# Altium PCB STM32F207VC.PcbDoc (part 13 of 16)
Units mm, origin at the board's own origin, x right, y up, seen from the top; angles counter-clockwise.
Board outline 99.19 x 99.95 mm, 2 copper layers (Top Layer, Bottom Layer); 127 components, 125 nets, 570 pads, 172 vias.
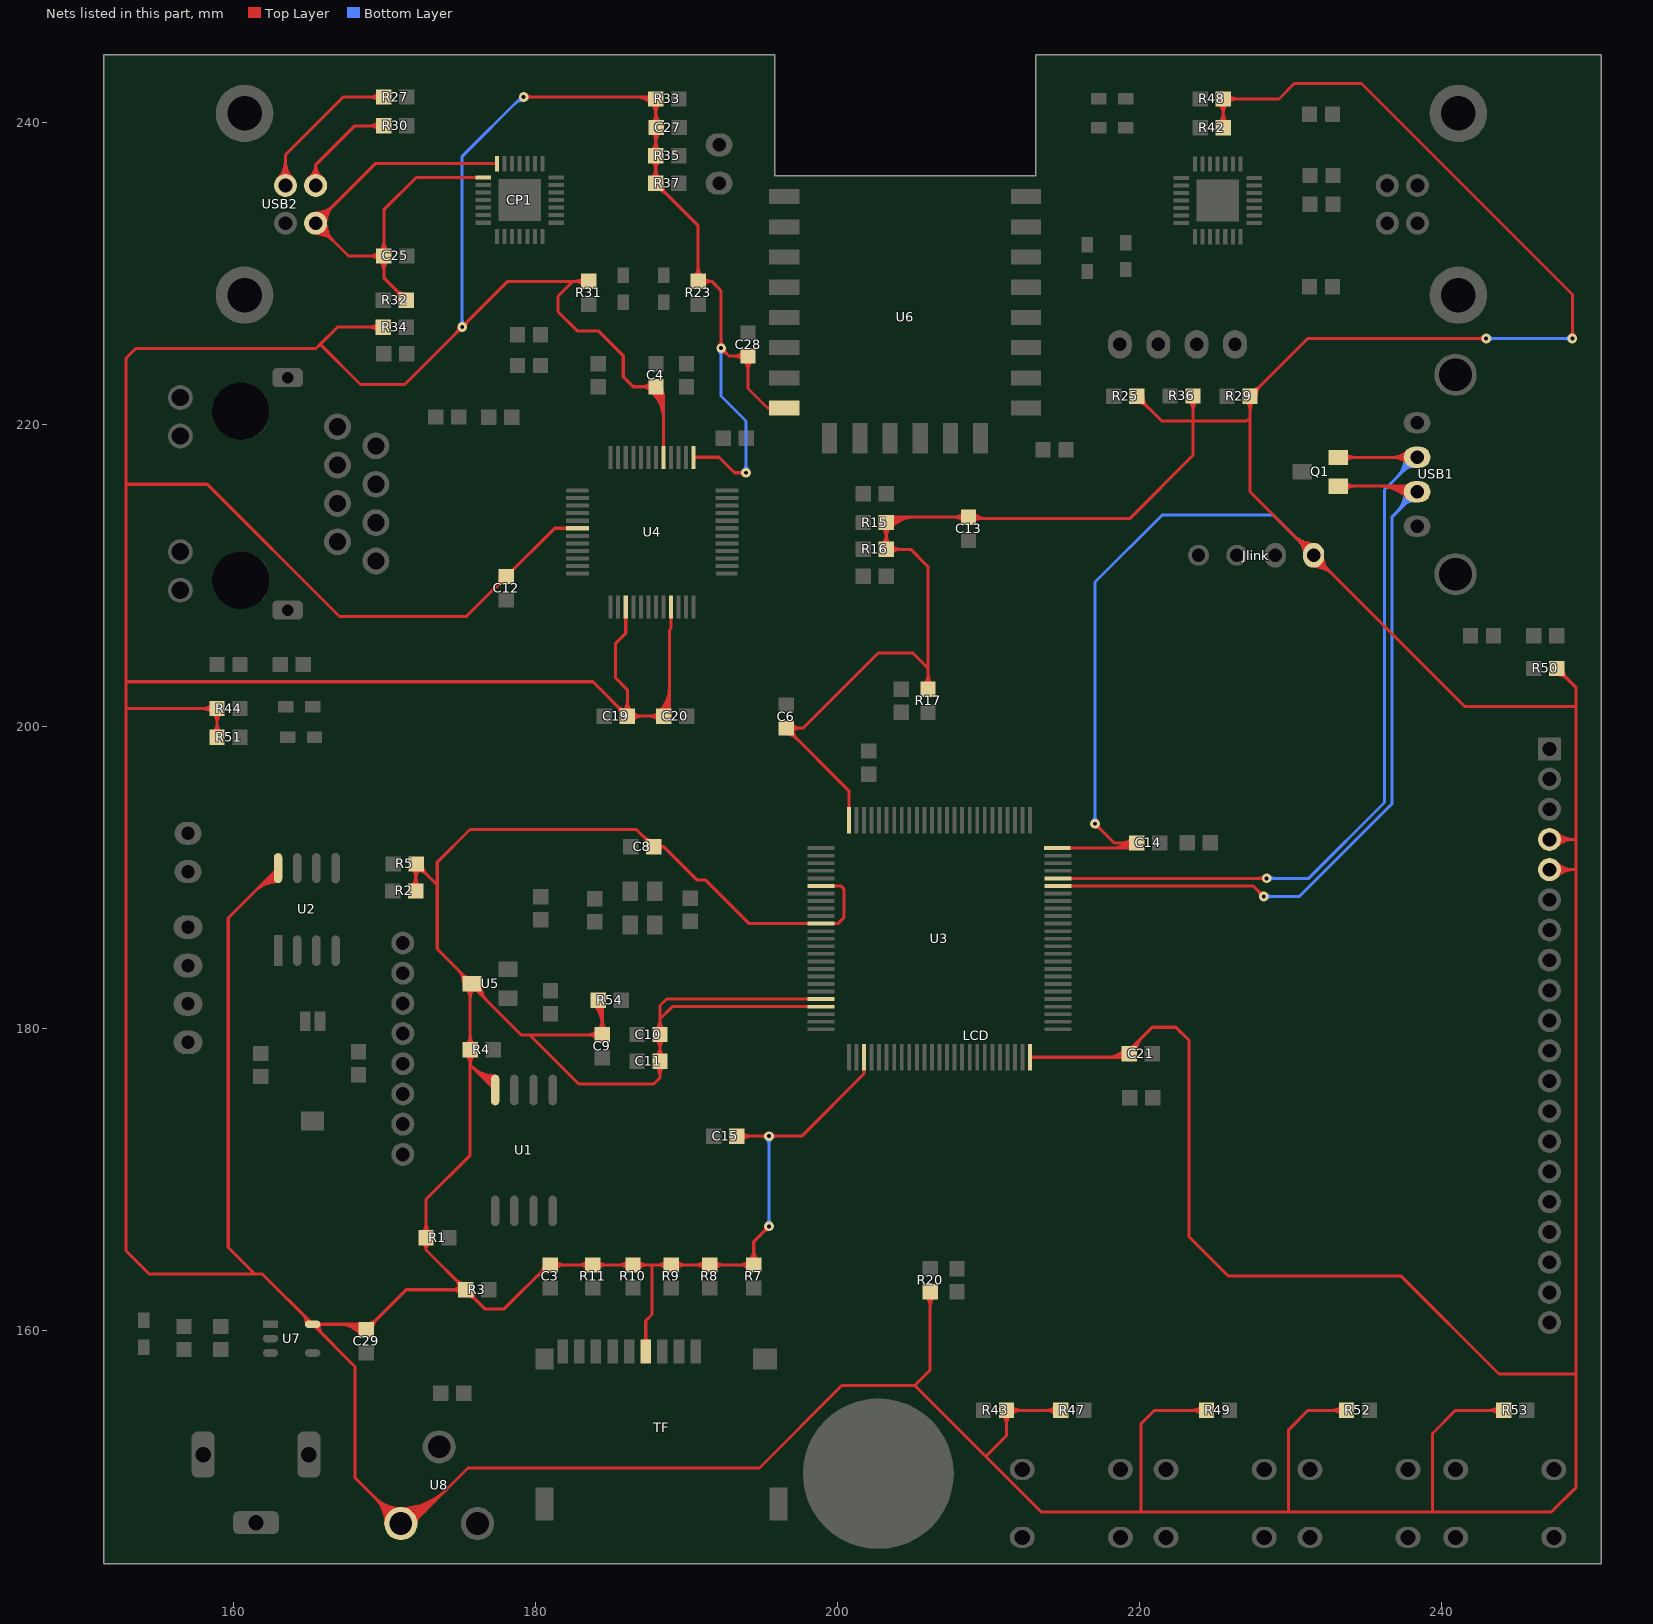
[diagram p13: the nets of this part, all layers, seen from the top]

## Via types
v1: diameter 0.635, hole 0.254, Top Layer to Bottom Layer, tented both sides, 152 vias
v2: diameter 0.635, hole 0.406, Top Layer to Bottom Layer, 18 vias
v3: diameter 1, hole 1, Top Layer to Bottom Layer, 2 vias

## Nets (pads, with @x,y where several pads share a name; then routed paths per layer and width w, separated by ;. In a path a pad name is that pad's centre, name@x,y a point inside that pad or via, vN(x,y) a via of type N, cw(c..) or ccw(c..) an arc to the next point about the centre after c; other vN are vias at no path point) (continued)
USB_DM: Q1.1 U3.70 USB1.2 | length 132.4
  Top Layer w0.203: U3.70@214.595,189.428 227.513,189.428 v1(228.219,188.722) ; Q1.1@233.159,215.905 238.003,215.905 USB1.2@238.376,215.531 ; 227.85,189.091 cw(c227.482,188.722) v1@228.003,188.722 ; 227.85,189.091 ccw(c228.219,189.459) v1@228.219,188.938 ; 227.85,189.091 cw(c227.482,188.722) v1@228.003,188.722 ; 227.85,189.091 ccw(c228.219,189.459) v1@228.219,188.938 ; 227.85,189.091 ccw(c228.219,189.459) v1@228.219,188.938 ; 227.85,189.091 cw(c227.482,188.722) v1@228.003,188.722 ; 227.85,189.091 ccw(c228.219,189.459) v1@228.219,188.938 ; 227.85,189.091 cw(c227.482,188.722) v1@228.003,188.722 ; 227.925,189.014 ccw(c228.299,189.114) v1@228.222,188.734 ; 227.925,189.014 ccw(c228.299,189.114) v1@228.222,188.734 ; 227.925,189.014 ccw(c228.299,189.114) v1@228.222,188.734 ; 227.925,189.014 ccw(c228.299,189.114) v1@228.222,188.734 ; 227.925,189.014 ccw(c228.299,189.114) v1@228.222,188.734 ; 227.925,189.014 ccw(c228.299,189.114) v1@228.222,188.734 ; 227.927,189.016 cw(c227.827,188.642) v1@228.207,188.719 ; 227.927,189.016 cw(c227.827,188.642) v1@228.207,188.719 ; 227.927,189.016 cw(c227.827,188.642) v1@228.207,188.719 ; 227.927,189.016 cw(c227.827,188.642) v1@228.207,188.719 ; 227.927,189.016 cw(c227.827,188.642) v1@228.207,188.719 ; 227.927,189.016 cw(c227.827,188.642) v1@228.207,188.719 ; Q1.1@233.573,215.618 cw(c234.267,214.924) 234.267,215.905 ; Q1.1@233.573,215.618 cw(c234.267,214.924) 234.267,215.905 ; Q1.1@233.573,215.618 cw(c234.267,214.924) 234.267,215.905 ; Q1.1@233.573,215.618 cw(c234.267,214.924) 234.267,215.905 ; Q1.1@233.573,216.192 ccw(c234.267,216.886) 234.267,215.905 ; Q1.1@233.573,216.192 ccw(c234.267,216.886) 234.267,215.905 ; Q1.1@233.573,216.192 ccw(c234.267,216.886) 234.267,215.905 ; Q1.1@233.573,216.192 ccw(c234.267,216.886) 234.267,215.905 ; 235.843,215.905 cw(c235.843,213.189) USB1.2@237.764,215.109 ; 235.843,215.905 cw(c235.843,213.189) USB1.2@237.764,215.109 ; 235.843,215.905 cw(c235.843,213.189) USB1.2@237.764,215.109 ; 235.843,215.905 cw(c235.843,213.189) USB1.2@237.764,215.109 ; 236.334,215.905 cw(c236.334,213.679) USB1.2@237.907,215.253 ; 236.334,215.905 cw(c236.334,213.679) USB1.2@237.907,215.253 ; 236.334,215.905 cw(c236.334,213.679) USB1.2@237.907,215.253 ; 236.334,215.905 cw(c236.334,213.679) USB1.2@237.907,215.253 ; 236.824,215.905 cw(c236.824,214.17) USB1.2@238.051,215.397 ; 236.824,215.905 cw(c236.824,214.17) USB1.2@238.051,215.397 ; 236.824,215.905 cw(c236.824,214.17) USB1.2@238.051,215.397 ; 236.824,215.905 cw(c236.824,214.17) USB1.2@238.051,215.397 ; 237.107,215.718 ccw(c237.323,216.091) USB1.2@237.685,215.856 ; 237.107,215.718 ccw(c237.323,216.091) USB1.2@237.685,215.856 ; 237.107,215.718 ccw(c237.323,216.091) USB1.2@237.685,215.856 ; 237.107,215.718 ccw(c237.323,216.091) USB1.2@237.685,215.856 ; 237.107,215.718 ccw(c237.323,216.091) USB1.2@237.685,215.856 ; 237.107,215.718 ccw(c237.323,216.091) USB1.2@237.685,215.856 ; 237.291,215.61 ccw(c237.502,215.974) USB1.2@237.855,215.746 ; 237.291,215.61 ccw(c237.502,215.974) USB1.2@237.855,215.746 ; 237.291,215.61 ccw(c237.502,215.974) USB1.2@237.855,215.746 ; 237.291,215.61 ccw(c237.502,215.974) USB1.2@237.855,215.746 ; 237.291,215.61 ccw(c237.502,215.974) USB1.2@237.855,215.746 ; 237.291,215.61 ccw(c237.502,215.974) USB1.2@237.855,215.746 ; 237.315,215.905 cw(c237.315,214.66) USB1.2@238.195,215.54 ; 237.315,215.905 cw(c237.315,214.66) USB1.2@238.195,215.54 ; 237.315,215.905 cw(c237.315,214.66) USB1.2@238.195,215.54 ; 237.315,215.905 cw(c237.315,214.66) USB1.2@238.195,215.54 ; 237.365,215.793 cw(c237.132,215.389) USB1.2@237.594,215.451 ; 237.365,215.793 ccw(c237.489,216.006) USB1.2@237.693,215.868 ; 237.365,215.793 cw(c237.132,215.389) USB1.2@237.594,215.451 ; 237.365,215.793 ccw(c237.489,216.006) USB1.2@237.693,215.868 ; 237.365,215.793 cw(c237.132,215.389) USB1.2@237.594,215.451 ; 237.365,215.793 ccw(c237.489,216.006) USB1.2@237.693,215.868 ; 237.365,215.793 ccw(c237.489,216.006) USB1.2@237.693,215.868 ; 237.365,215.793 cw(c237.132,215.389) USB1.2@237.594,215.451 ; 237.365,215.793 ccw(c237.489,216.006) USB1.2@237.693,215.868 ; 237.365,215.793 cw(c237.132,215.389) USB1.2@237.594,215.451 ; 237.365,215.793 ccw(c237.489,216.006) USB1.2@237.693,215.868 ; 237.365,215.793 cw(c237.132,215.389) USB1.2@237.594,215.451 ; 237.476,215.503 ccw(c237.682,215.858) USB1.2@238.026,215.635 ; 237.476,215.503 ccw(c237.682,215.858) USB1.2@238.026,215.635 ; 237.476,215.503 ccw(c237.682,215.858) USB1.2@238.026,215.635 ; 237.476,215.503 ccw(c237.682,215.858) USB1.2@238.026,215.635 ; 237.476,215.503 ccw(c237.682,215.858) USB1.2@238.026,215.635 ; 237.476,215.503 ccw(c237.682,215.858) USB1.2@238.026,215.635
  Bottom Layer w0.203: v1(228.219,188.722) 230.572,188.722 236.728,194.878 236.728,213.883 USB1.2@238.376,215.531 ; v1@228.372,188.569 cw(c228.74,188.201) 228.74,188.722 ; v1@228.372,188.569 cw(c228.74,188.201) 228.74,188.722 ; v1@228.372,188.569 cw(c228.74,188.201) 228.74,188.722 ; v1@228.372,188.569 cw(c228.74,188.201) 228.74,188.722 ; v1@228.372,188.875 ccw(c228.74,189.243) 228.74,188.722 ; v1@228.372,188.875 ccw(c228.74,189.243) 228.74,188.722 ; v1@228.372,188.875 ccw(c228.74,189.243) 228.74,188.722 ; v1@228.372,188.875 ccw(c228.74,189.243) 228.74,188.722 ; 237.032,214.187 ccw(c235.688,215.531) USB1.2@237.589,215.531 ; 237.032,214.187 ccw(c235.688,215.531) USB1.2@237.589,215.531 ; 237.032,214.187 ccw(c235.688,215.531) USB1.2@237.589,215.531 ; 237.032,214.187 ccw(c235.688,215.531) USB1.2@237.589,215.531 ; 237.379,214.534 ccw(c236.382,215.531) USB1.2@237.792,215.531 ; 237.379,214.534 ccw(c236.382,215.531) USB1.2@237.792,215.531 ; 237.379,214.534 ccw(c236.382,215.531) USB1.2@237.792,215.531 ; 237.379,214.534 ccw(c236.382,215.531) USB1.2@237.792,215.531 ; 237.492,214.647 cw(c238.186,213.953) USB1.2@238.186,214.935 ; 237.492,214.647 cw(c238.186,213.953) USB1.2@238.186,214.935 ; 237.492,214.647 cw(c238.186,213.953) USB1.2@238.186,214.935 ; 237.492,214.647 cw(c238.186,213.953) USB1.2@238.186,214.935 ; 237.593,214.789 cw(c238.326,214.592) USB1.2@238.214,215.343 ; 237.593,214.789 cw(c238.326,214.592) USB1.2@238.214,215.343 ; 237.593,214.789 cw(c238.326,214.592) USB1.2@238.214,215.343 ; 237.593,214.789 cw(c238.326,214.592) USB1.2@238.214,215.343 ; 237.593,214.789 cw(c238.326,214.592) USB1.2@238.214,215.343 ; 237.593,214.789 cw(c238.326,214.592) USB1.2@238.214,215.343 ; 237.726,214.881 ccw(c237.076,215.531) USB1.2@237.995,215.531 ; 237.726,214.881 ccw(c237.076,215.531) USB1.2@237.995,215.531 ; 237.726,214.881 ccw(c237.076,215.531) USB1.2@237.995,215.531 ; 237.726,214.881 ccw(c237.076,215.531) USB1.2@237.995,215.531
USB_DP: Q1.2 U3.71 USB1.3 | length 102.1
  Top Layer w0.203: U3.71@214.595,189.928 v1(228.409,189.928) ; Q1.2@233.159,217.805 USB1.3@238.364,217.805 ; 227.888,189.928 cw(c227.888,189.407) v1@228.256,189.775 ; 227.888,189.928 ccw(c227.888,190.449) v1@228.256,190.081 ; 227.888,189.928 cw(c227.888,189.407) v1@228.256,189.775 ; 227.888,189.928 ccw(c227.888,190.449) v1@228.256,190.081 ; 227.888,189.928 ccw(c227.888,190.449) v1@228.256,190.081 ; 227.888,189.928 cw(c227.888,189.407) v1@228.256,189.775 ; 227.888,189.928 ccw(c227.888,190.449) v1@228.256,190.081 ; 227.888,189.928 cw(c227.888,189.407) v1@228.256,189.775 ; Q1.2@233.573,217.518 cw(c234.267,216.824) 234.267,217.805 ; Q1.2@233.573,217.518 cw(c234.267,216.824) 234.267,217.805 ; Q1.2@233.573,217.518 cw(c234.267,216.824) 234.267,217.805 ; Q1.2@233.573,217.518 cw(c234.267,216.824) 234.267,217.805 ; Q1.2@233.573,218.092 ccw(c234.267,218.786) 234.267,217.805 ; Q1.2@233.573,218.092 ccw(c234.267,218.786) 234.267,217.805 ; Q1.2@233.573,218.092 ccw(c234.267,218.786) 234.267,217.805 ; Q1.2@233.573,218.092 ccw(c234.267,218.786) 234.267,217.805 ; 236.715,217.805 ccw(c236.715,219.289) USB1.3@237.764,218.24 ; 236.715,217.805 ccw(c236.715,219.289) USB1.3@237.764,218.24 ; 236.715,217.805 ccw(c236.715,219.289) USB1.3@237.764,218.24 ; 236.715,217.805 ccw(c236.715,219.289) USB1.3@237.764,218.24 ; 236.775,217.805 cw(c236.775,216.407) USB1.3@237.764,217.395 ; 236.775,217.805 cw(c236.775,216.407) USB1.3@237.764,217.395 ; 236.775,217.805 cw(c236.775,216.407) USB1.3@237.764,217.395 ; 236.775,217.805 cw(c236.775,216.407) USB1.3@237.764,217.395 ; 237.205,217.805 ccw(c237.205,218.798) USB1.3@237.907,218.096 ; 237.205,217.805 ccw(c237.205,218.798) USB1.3@237.907,218.096 ; 237.205,217.805 ccw(c237.205,218.798) USB1.3@237.907,218.096 ; 237.205,217.805 ccw(c237.205,218.798) USB1.3@237.907,218.096 ; 237.265,217.805 cw(c237.265,216.897) USB1.3@237.907,217.539 ; 237.265,217.805 cw(c237.265,216.897) USB1.3@237.907,217.539 ; 237.265,217.805 cw(c237.265,216.897) USB1.3@237.907,217.539 ; 237.265,217.805 cw(c237.265,216.897) USB1.3@237.907,217.539
  Bottom Layer w0.203: v1(228.409,189.928) 231.203,189.928 236.22,194.945 236.22,215.661 USB1.3@238.376,217.817 ; v1@228.562,189.775 cw(c228.93,189.407) 228.93,189.928 ; v1@228.562,189.775 cw(c228.93,189.407) 228.93,189.928 ; v1@228.562,189.775 cw(c228.93,189.407) 228.93,189.928 ; v1@228.562,189.775 cw(c228.93,189.407) 228.93,189.928 ; v1@228.562,190.081 ccw(c228.93,190.449) 228.93,189.928 ; v1@228.562,190.081 ccw(c228.93,190.449) 228.93,189.928 ; v1@228.562,190.081 ccw(c228.93,190.449) 228.93,189.928 ; v1@228.562,190.081 ccw(c228.93,190.449) 228.93,189.928 ; 237.032,216.473 ccw(c235.688,217.817) USB1.3@237.589,217.817 ; 237.032,216.473 ccw(c235.688,217.817) USB1.3@237.589,217.817 ; 237.032,216.473 ccw(c235.688,217.817) USB1.3@237.589,217.817 ; 237.032,216.473 ccw(c235.688,217.817) USB1.3@237.589,217.817 ; 237.379,216.82 ccw(c236.382,217.817) USB1.3@237.792,217.817 ; 237.379,216.82 ccw(c236.382,217.817) USB1.3@237.792,217.817 ; 237.379,216.82 ccw(c236.382,217.817) USB1.3@237.792,217.817 ; 237.379,216.82 ccw(c236.382,217.817) USB1.3@237.792,217.817 ; 237.492,216.933 cw(c238.186,216.239) USB1.3@238.186,217.221 ; 237.492,216.933 cw(c238.186,216.239) USB1.3@238.186,217.221 ; 237.492,216.933 cw(c238.186,216.239) USB1.3@238.186,217.221 ; 237.492,216.933 cw(c238.186,216.239) USB1.3@238.186,217.221 ; 237.593,217.075 cw(c238.326,216.878) USB1.3@238.214,217.629 ; 237.593,217.075 cw(c238.326,216.878) USB1.3@238.214,217.629 ; 237.593,217.075 cw(c238.326,216.878) USB1.3@238.214,217.629 ; 237.593,217.075 cw(c238.326,216.878) USB1.3@238.214,217.629 ; 237.593,217.075 cw(c238.326,216.878) USB1.3@238.214,217.629 ; 237.593,217.075 cw(c238.326,216.878) USB1.3@238.214,217.629 ; 237.726,217.167 ccw(c237.076,217.817) USB1.3@237.995,217.817 ; 237.726,217.167 ccw(c237.076,217.817) USB1.3@237.995,217.817 ; 237.726,217.167 ccw(c237.076,217.817) USB1.3@237.995,217.817 ; 237.726,217.167 ccw(c237.076,217.817) USB1.3@237.995,217.817
USB_UART_DM: R30.1 USB2.2 | length 26.3
  Top Layer w0.203: USB2.2@165.427,235.819 165.427,237.182 ; R30.1@169.943,239.77 168.015,239.77 165.427,237.182 ; USB2.2@165.018,236.337 ccw(c164.351,237.182) 165.427,237.182 ; USB2.2@165.018,236.337 ccw(c164.351,237.182) 165.427,237.182 ; USB2.2@165.018,236.337 ccw(c164.351,237.182) 165.427,237.182 ; USB2.2@165.018,236.337 ccw(c164.351,237.182) 165.427,237.182 ; USB2.2@165.144,236.178 ccw(c164.682,236.763) 165.427,236.763 ; USB2.2@165.144,236.178 ccw(c164.682,236.763) 165.427,236.763 ; USB2.2@165.144,236.178 ccw(c164.682,236.763) 165.427,236.763 ; USB2.2@165.144,236.178 ccw(c164.682,236.763) 165.427,236.763 ; 165.427,236.763 ccw(c166.172,236.763) USB2.2@165.71,236.178 ; 165.427,236.763 ccw(c166.172,236.763) USB2.2@165.71,236.178 ; 165.427,236.763 ccw(c166.172,236.763) USB2.2@165.71,236.178 ; 165.427,236.763 ccw(c166.172,236.763) USB2.2@165.71,236.178 ; 165.427,237.182 ccw(c166.503,237.182) USB2.2@165.836,236.337 ; 165.427,237.182 ccw(c166.503,237.182) USB2.2@165.836,236.337 ; 165.427,237.182 ccw(c166.503,237.182) USB2.2@165.836,236.337 ; 165.427,237.182 ccw(c166.503,237.182) USB2.2@165.836,236.337 ; 168.962,239.77 cw(c168.962,238.789) R30.1@169.656,239.483 ; 168.962,239.77 ccw(c168.962,240.751) R30.1@169.656,240.057 ; 168.962,239.77 cw(c168.962,238.789) R30.1@169.656,239.483 ; 168.962,239.77 ccw(c168.962,240.751) R30.1@169.656,240.057 ; 168.962,239.77 ccw(c168.962,240.751) R30.1@169.656,240.057 ; 168.962,239.77 cw(c168.962,238.789) R30.1@169.656,239.483 ; 168.962,239.77 ccw(c168.962,240.751) R30.1@169.656,240.057 ; 168.962,239.77 cw(c168.962,238.789) R30.1@169.656,239.483
USB_UART_DP: R27.1 USB2.3 | length 33.2
  Top Layer w0.203: USB2.3@163.427,235.819 163.427,237.849 167.253,241.675 R27.1@169.943,241.675 ; USB2.3@162.96,236.286 ccw(c161.833,237.413) 163.427,237.413 ; USB2.3@162.96,236.286 ccw(c161.833,237.413) 163.427,237.413 ; USB2.3@162.96,236.286 ccw(c161.833,237.413) 163.427,237.413 ; USB2.3@162.96,236.286 ccw(c161.833,237.413) 163.427,237.413 ; USB2.3@163.104,236.142 ccw(c162.323,236.923) 163.427,236.923 ; USB2.3@163.104,236.142 ccw(c162.323,236.923) 163.427,236.923 ; USB2.3@163.104,236.142 ccw(c162.323,236.923) 163.427,236.923 ; USB2.3@163.104,236.142 ccw(c162.323,236.923) 163.427,236.923 ; 163.427,236.923 ccw(c164.531,236.923) USB2.3@163.75,236.142 ; 163.427,236.923 ccw(c164.531,236.923) USB2.3@163.75,236.142 ; 163.427,236.923 ccw(c164.531,236.923) USB2.3@163.75,236.142 ; 163.427,236.923 ccw(c164.531,236.923) USB2.3@163.75,236.142 ; 163.427,237.413 ccw(c165.021,237.413) USB2.3@163.894,236.286 ; 163.427,237.413 ccw(c165.021,237.413) USB2.3@163.894,236.286 ; 163.427,237.413 ccw(c165.021,237.413) USB2.3@163.894,236.286 ; 163.427,237.413 ccw(c165.021,237.413) USB2.3@163.894,236.286 ; 168.962,241.675 cw(c168.962,240.694) R27.1@169.656,241.388 ; 168.962,241.675 ccw(c168.962,242.656) R27.1@169.656,241.962 ; 168.962,241.675 cw(c168.962,240.694) R27.1@169.656,241.388 ; 168.962,241.675 ccw(c168.962,242.656) R27.1@169.656,241.962 ; 168.962,241.675 ccw(c168.962,242.656) R27.1@169.656,241.962 ; 168.962,241.675 cw(c168.962,240.694) R27.1@169.656,241.388 ; 168.962,241.675 ccw(c168.962,242.656) R27.1@169.656,241.962 ; 168.962,241.675 cw(c168.962,240.694) R27.1@169.656,241.388
USB_VCC5V: C25.2 CP1.7 CP1.8 R32.2 USB2.1 | length 166.8
  Top Layer w0.203: CP1.8@176.53,236.348 172.086,236.348 169.943,234.205 C25.2@169.943,231.146 ; CP1.7@177.443,237.261 169.369,237.261 USB2.1@165.427,233.319 167.6,231.146 C25.2@169.943,231.146 ; USB2.1@165.079,233.248 ccw(c165.927,233.422) 165.703,232.585 ; USB2.1@165.079,233.248 ccw(c165.927,233.422) 165.703,232.585 ; USB2.1@165.079,233.248 ccw(c165.927,233.422) 165.703,232.585 ; USB2.1@165.079,233.248 ccw(c165.927,233.422) 165.703,232.585 ; USB2.1@165.079,233.248 ccw(c165.927,233.422) 165.703,232.585 ; USB2.1@165.079,233.39 cw(c165.927,233.217) 165.703,234.053 ; USB2.1@165.079,233.39 cw(c165.927,233.217) 165.703,234.053 ; USB2.1@165.079,233.39 cw(c165.927,233.217) 165.703,234.053 ; USB2.1@165.079,233.39 cw(c165.927,233.217) 165.703,234.053 ; USB2.1@165.079,233.39 cw(c165.927,233.217) 165.703,234.053 ; USB2.1@165.278,233.288 ccw(c166.288,233.495) 166.021,232.5 ; USB2.1@165.278,233.288 ccw(c166.288,233.495) 166.021,232.5 ; USB2.1@165.278,233.288 ccw(c166.288,233.495) 166.021,232.5 ; USB2.1@165.278,233.288 ccw(c166.288,233.495) 166.021,232.5 ; USB2.1@165.278,233.288 ccw(c166.288,233.495) 166.021,232.5 ; USB2.1@165.278,233.35 cw(c166.288,233.143) 166.021,234.139 ; USB2.1@165.278,233.35 cw(c166.288,233.143) 166.021,234.139 ; USB2.1@165.278,233.35 cw(c166.288,233.143) 166.021,234.139 ; USB2.1@165.278,233.35 cw(c166.288,233.143) 166.021,234.139 ; USB2.1@165.278,233.35 cw(c166.288,233.143) 166.021,234.139 ; USB2.1@165.427,232.659 cw(c165.427,231.064) 166.554,232.192 ; USB2.1@165.427,232.659 cw(c165.427,231.064) 166.554,232.192 ; USB2.1@165.427,232.659 cw(c165.427,231.064) 166.554,232.192 ; USB2.1@165.427,232.659 cw(c165.427,231.064) 166.554,232.192 ; USB2.1@165.427,232.862 cw(c165.427,231.758) 166.207,232.539 ; USB2.1@165.427,232.862 cw(c165.427,231.758) 166.207,232.539 ; USB2.1@165.427,232.862 cw(c165.427,231.758) 166.207,232.539 ; USB2.1@165.427,232.862 cw(c165.427,231.758) 166.207,232.539 ; USB2.1@165.426,233.268 cw(c165.419,232.644) 166.022,232.806 ; USB2.1@165.426,233.268 cw(c165.419,232.644) 166.022,232.806 ; USB2.1@165.426,233.268 cw(c165.419,232.644) 166.022,232.806 ; USB2.1@165.426,233.268 cw(c165.419,232.644) 166.022,232.806 ; USB2.1@165.426,233.268 cw(c165.419,232.644) 166.022,232.806 ; USB2.1@165.426,233.268 cw(c165.419,232.644) 166.022,232.806 ; USB2.1@165.426,233.37 ccw(c165.419,233.994) 166.022,233.833 ; USB2.1@165.426,233.37 ccw(c165.419,233.994) 166.022,233.833 ; USB2.1@165.426,233.37 ccw(c165.419,233.994) 166.022,233.833 ; USB2.1@165.426,233.37 ccw(c165.419,233.994) 166.022,233.833 ; USB2.1@165.426,233.37 ccw(c165.419,233.994) 166.022,233.833 ; USB2.1@165.426,233.37 ccw(c165.419,233.994) 166.022,233.833 ; USB2.1@165.427,233.776 ccw(c165.427,234.88) 166.207,234.1 ; USB2.1@165.427,233.776 ccw(c165.427,234.88) 166.207,234.1 ; USB2.1@165.427,233.776 ccw(c165.427,234.88) 166.207,234.1 ; USB2.1@165.427,233.776 ccw(c165.427,234.88) 166.207,234.1 ; USB2.1@165.427,233.979 ccw(c165.427,235.574) 166.554,234.446 ; USB2.1@165.427,233.979 ccw(c165.427,235.574) 166.554,234.446 ; USB2.1@165.427,233.979 ccw(c165.427,235.574) 166.554,234.446 ; USB2.1@165.427,233.979 ccw(c165.427,235.574) 166.554,234.446 ; USB2.1@165.458,233.17 ccw(c165.251,234.18) 166.247,233.913 ; USB2.1@165.458,233.17 ccw(c165.251,234.18) 166.247,233.913 ; USB2.1@165.458,233.17 ccw(c165.251,234.18) 166.247,233.913 ; USB2.1@165.458,233.17 ccw(c165.251,234.18) 166.247,233.913 ; USB2.1@165.458,233.17 ccw(c165.251,234.18) 166.247,233.913 ; USB2.1@165.458,233.17 ccw(c165.251,234.18) 166.247,233.913 ; USB2.1@165.458,233.468 cw(c165.251,232.458) 166.247,232.725 ; USB2.1@165.458,233.468 cw(c165.251,232.458) 166.247,232.725 ; USB2.1@165.458,233.468 cw(c165.251,232.458) 166.247,232.725 ; USB2.1@165.458,233.468 cw(c165.251,232.458) 166.247,232.725 ; USB2.1@165.458,233.468 cw(c165.251,232.458) 166.247,232.725 ; USB2.1@165.458,233.468 cw(c165.251,232.458) 166.247,232.725 ; USB2.1@165.478,233.318 cw(c166.102,233.311) 165.94,233.914 ; USB2.1@165.478,233.318 cw(c166.102,233.311) 165.94,233.914 ; USB2.1@165.478,233.318 cw(c166.102,233.311) 165.94,233.914 ; USB2.1@165.478,233.318 cw(c166.102,233.311) 165.94,233.914 ; USB2.1@165.478,233.318 cw(c166.102,233.311) 165.94,233.914 ; USB2.1@165.478,233.318 cw(c166.102,233.311) 165.94,233.914 ; USB2.1@165.478,233.32 ccw(c166.102,233.327) 165.94,232.724 ; USB2.1@165.478,233.32 ccw(c166.102,233.327) 165.94,232.724 ; USB2.1@165.478,233.32 ccw(c166.102,233.327) 165.94,232.724 ; USB2.1@165.478,233.32 ccw(c166.102,233.327) 165.94,232.724 ; USB2.1@165.478,233.32 ccw(c166.102,233.327) 165.94,232.724 ; USB2.1@165.478,233.32 ccw(c166.102,233.327) 165.94,232.724 ; USB2.1@165.498,232.971 ccw(c165.325,233.819) 166.161,233.595 ; USB2.1@165.498,232.971 ccw(c165.325,233.819) 166.161,233.595 ; USB2.1@165.498,232.971 ccw(c165.325,233.819) 166.161,233.595 ; USB2.1@165.498,232.971 ccw(c165.325,233.819) 166.161,233.595 ; USB2.1@165.498,232.971 ccw(c165.325,233.819) 166.161,233.595 ; USB2.1@165.498,232.971 ccw(c165.325,233.819) 166.161,233.595 ; USB2.1@165.498,233.667 cw(c165.325,232.819) 166.161,233.043 ; USB2.1@165.498,233.667 cw(c165.325,232.819) 166.161,233.043 ; USB2.1@165.498,233.667 cw(c165.325,232.819) 166.161,233.043 ; USB2.1@165.498,233.667 cw(c165.325,232.819) 166.161,233.043 ; USB2.1@165.498,233.667 cw(c165.325,232.819) 166.161,233.043 ; USB2.1@165.498,233.667 cw(c165.325,232.819) 166.161,233.043 ; USB2.1@165.884,233.319 cw(c166.988,233.319) 166.207,234.1 ; USB2.1@165.884,233.319 ccw(c166.988,233.319) 166.207,232.539 ; USB2.1@165.884,233.319 cw(c166.988,233.319) 166.207,234.1 ; USB2.1@165.884,233.319 ccw(c166.988,233.319) 166.207,232.539 ; USB2.1@165.884,233.319 ccw(c166.988,233.319) 166.207,232.539 ; USB2.1@165.884,233.319 cw(c166.988,233.319) 166.207,234.1 ; USB2.1@165.884,233.319 ccw(c166.988,233.319) 166.207,232.539 ; USB2.1@165.884,233.319 cw(c166.988,233.319) 166.207,234.1 ; USB2.1@166.087,233.319 cw(c167.682,233.319) 166.554,234.446 ; USB2.1@166.087,233.319 ccw(c167.682,233.319) 166.554,232.192 ; USB2.1@166.087,233.319 cw(c167.682,233.319) 166.554,234.446 ; USB2.1@166.087,233.319 ccw(c167.682,233.319) 166.554,232.192 ; USB2.1@166.087,233.319 ccw(c167.682,233.319) 166.554,232.192 ; USB2.1@166.087,233.319 cw(c167.682,233.319) 166.554,234.446 ; USB2.1@166.087,233.319 ccw(c167.682,233.319) 166.554,232.192 ; USB2.1@166.087,233.319 cw(c167.682,233.319) 166.554,234.446 ; 168.962,231.146 cw(c168.962,230.165) C25.2@169.656,230.859 ; 168.962,231.146 ccw(c168.962,232.127) C25.2@169.656,231.433 ; 168.962,231.146 cw(c168.962,230.165) C25.2@169.656,230.859 ; 168.962,231.146 ccw(c168.962,232.127) C25.2@169.656,231.433 ; 168.962,231.146 ccw(c168.962,232.127) C25.2@169.656,231.433 ; 168.962,231.146 cw(c168.962,230.165) C25.2@169.656,230.859 ; 168.962,231.146 ccw(c168.962,232.127) C25.2@169.656,231.433 ; 168.962,231.146 cw(c168.962,230.165) C25.2@169.656,230.859 ; C25.2@169.656,230.859 cw(c168.962,230.165) 169.943,230.165 ; C25.2@169.656,230.859 cw(c168.962,230.165) 169.943,230.165 ; C25.2@169.656,230.859 cw(c168.962,230.165) 169.943,230.165 ; C25.2@169.656,230.859 cw(c168.962,230.165) 169.943,230.165 ; C25.2@169.656,231.433 ccw(c168.962,232.127) 169.943,232.127 ; C25.2@169.656,231.433 ccw(c168.962,232.127) 169.943,232.127 ; C25.2@169.656,231.433 ccw(c168.962,232.127) 169.943,232.127 ; C25.2@169.656,231.433 ccw(c168.962,232.127) 169.943,232.127 ; 169.943,230.165 cw(c170.925,230.165) C25.2@170.231,230.859 ; 169.943,230.165 cw(c170.925,230.165) C25.2@170.231,230.859 ; 169.943,230.165 cw(c170.925,230.165) C25.2@170.231,230.859 ; 169.943,230.165 cw(c170.925,230.165) C25.2@170.231,230.859 ; C25.2@169.943,231.146 169.943,229.702 R32.2@171.433,228.213 ; 169.943,232.127 ccw(c170.925,232.127) C25.2@170.231,231.433 ; 169.943,232.127 ccw(c170.925,232.127) C25.2@170.231,231.433 ; 169.943,232.127 ccw(c170.925,232.127) C25.2@170.231,231.433 ; 169.943,232.127 ccw(c170.925,232.127) C25.2@170.231,231.433 ; 170.739,228.907 cw(c170.045,228.213) R32.2@171.026,228.213 ; 170.739,228.907 ccw(c171.433,229.601) R32.2@171.433,228.619 ; 170.739,228.907 cw(c170.045,228.213) R32.2@171.026,228.213 ; 170.739,228.907 ccw(c171.433,229.601) R32.2@171.433,228.619 ; 170.739,228.907 ccw(c171.433,229.601) R32.2@171.433,228.619 ; 170.739,228.907 cw(c170.045,228.213) R32.2@171.026,228.213 ; 170.739,228.907 ccw(c171.433,229.601) R32.2@171.433,228.619 ; 170.739,228.907 cw(c170.045,228.213) R32.2@171.026,228.213 ; 170.889,228.725 ccw(c171.575,228.909) R32.2@171.433,228.213 ; 170.889,228.725 ccw(c171.575,228.909) R32.2@171.433,228.213 ; 170.889,228.725 ccw(c171.575,228.909) R32.2@171.433,228.213 ; 170.889,228.725 ccw(c171.575,228.909) R32.2@171.433,228.213 ; 170.889,228.725 ccw(c171.575,228.909) R32.2@171.433,228.213 ; 170.889,228.725 ccw(c171.575,228.909) R32.2@171.433,228.213 ; 170.921,228.757 cw(c170.737,228.071) R32.2@171.433,228.213 ; 170.921,228.757 cw(c170.737,228.071) R32.2@171.433,228.213 ; 170.921,228.757 cw(c170.737,228.071) R32.2@171.433,228.213 ; 170.921,228.757 cw(c170.737,228.071) R32.2@171.433,228.213 ; 170.921,228.757 cw(c170.737,228.071) R32.2@171.433,228.213 ; 170.921,228.757 cw(c170.737,228.071) R32.2@171.433,228.213
VCC3.3: C3.1 C4.1 C6.1 C8.2 C9.2 C10.1 C11.1 C12.2 C13.2 C14.1 C15.1 C19.1 C20.2 C21.1 C27.2 C28.1 C29.1 Jlink.1 LCD.4 LCD.5 R1.2 R2.2 R3.1 R4.2 R5.1 R7.2 R8.2 R9.2 R10.2 R11.2 R15.1 R16.1 R17.1 R20.1 R23.2 R25.2 R29.2 R31.2 R33.1 R34.1 R35.1 R36.1 R37.2 R42.2 R43.2 R44.2 R47.2 R48.2 R49.2 R50.2 R51.2 R52.2 R53.2 R54.1 TF.4 U1.8 U2.8 U3.6 U3.11 U3.21 U3.22 U3.28 U3.50 U3.75 U3.100 U4.6 U4.15 U4.21 U4.37 U4.41 U5.3 U6.8 U7.5 U8.1 | length 2222.1